# Altium PCB ESP32-HWE-Uno.PcbDoc
Units mil, origin at the board's own origin, x right, y up, seen from the top; angles counter-clockwise.
Board outline 2700 x 2100 mil, 2 copper layers (Top Layer, Bottom Layer); 8 components, 39 nets, 121 pads, 7 vias.
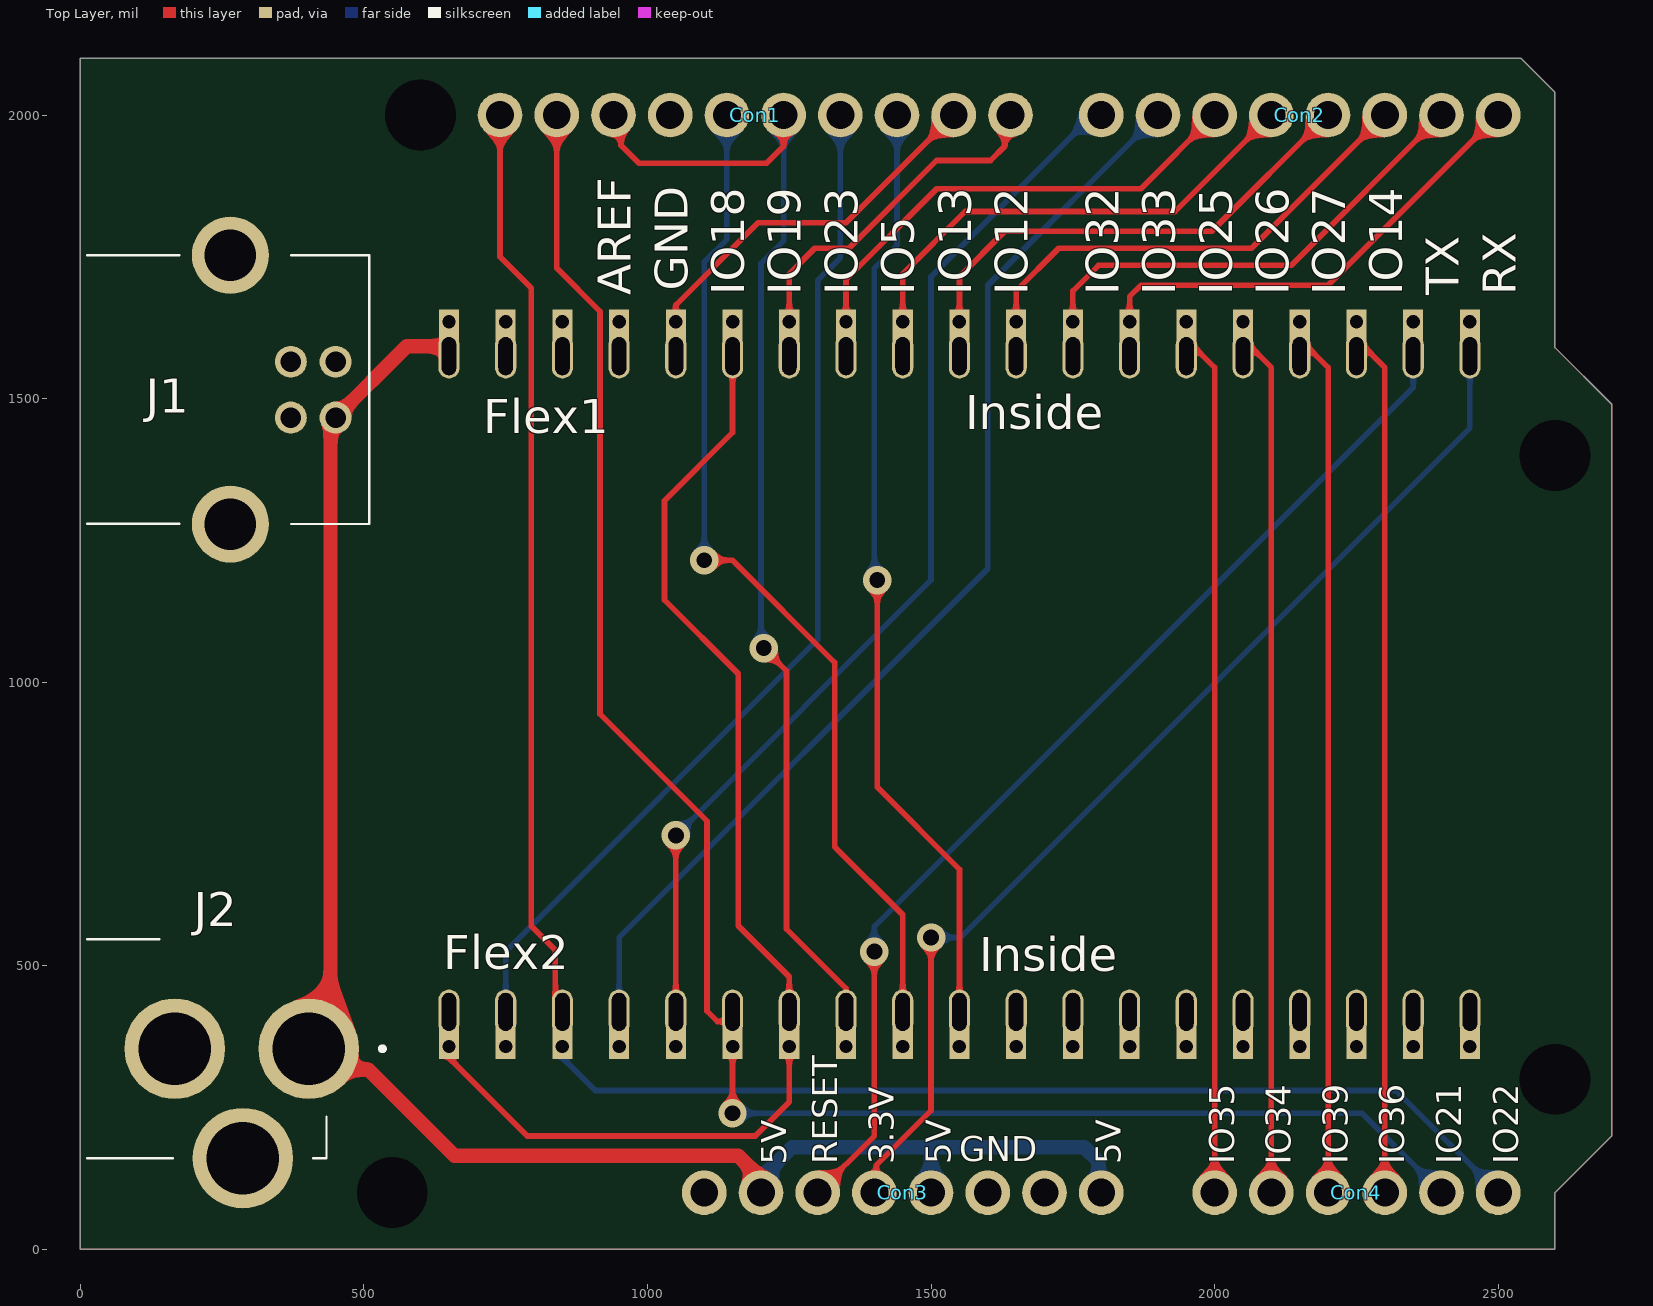
[diagram p0: Top Layer view]
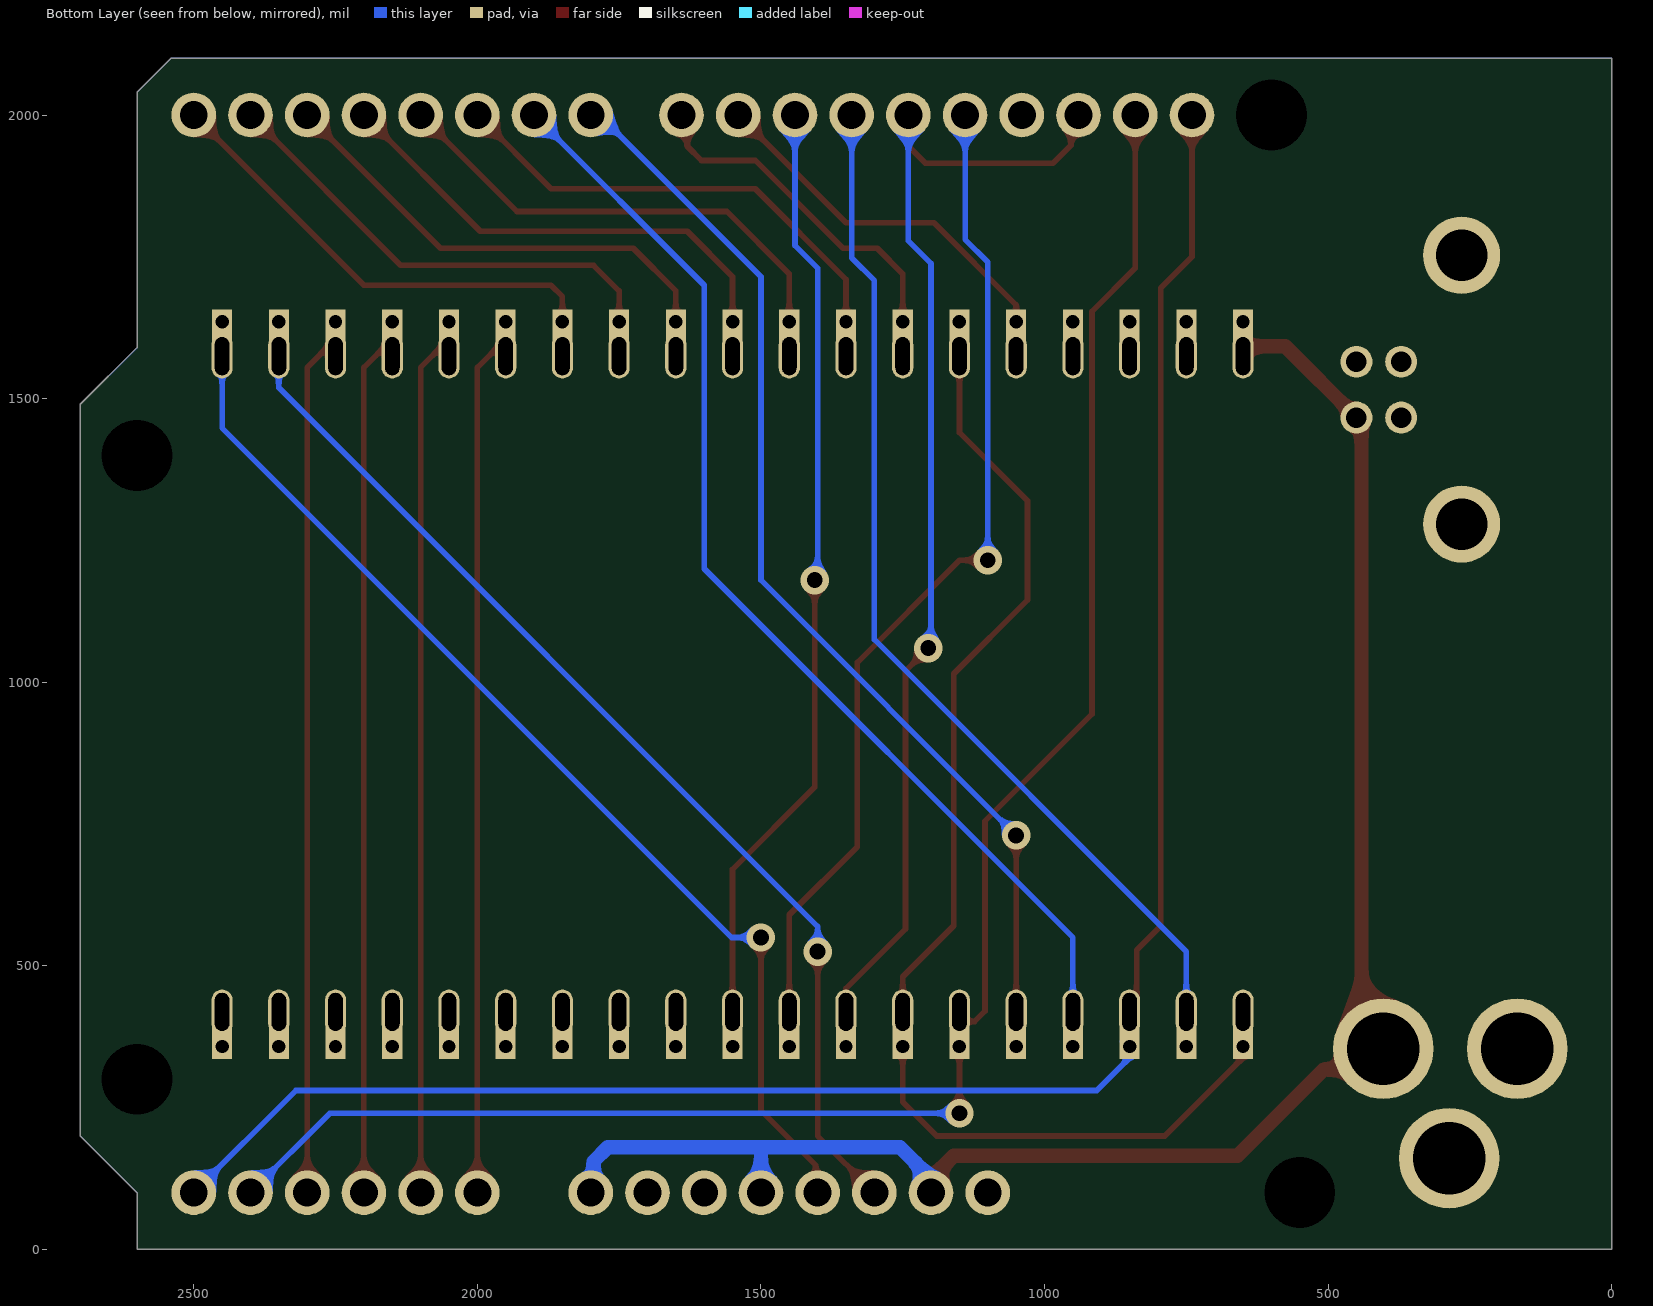
[diagram p1: Bottom Layer view, seen from below]

## Layer stack, top to bottom
Top Solder: solder mask 0.4, Solder Resist, Dk 3.5
Top Layer: signal copper 1.4
Dielectric 1: dielectric 12.6, FR-4, Dk 4.8
Bottom Layer: signal copper 1.4
Bottom Solder: solder mask 0.4, Solder Resist, Dk 3.5

## Board outline
0,0 0,2100 2540,2100 2600,2040 2600,1590 2700,1490 2700,200 2600,100 2600,0

## Design rules (kind name [scope] priority, off if disabled: settings)
Clearance [All] p1: gap=5 ignorepadtopadclearanceinfootprint=FALSE except(0: Arc-Hole Track-Hole SMDPad-Hole THPad-Hole Via-Hole Fill-Hole Poly-Hole Region-Hole Text-Hole)
HoleSize [All] p1: absolutevalues=TRUE maxlimit=196.85 minlimit=1 maxpercent=80.000 minpercent=20.000
PolygonConnect [All] p1: connectstyle=Relief reliefconductorwidth=10 reliefentries=4 polygonreliefangle="90 Angle" airgapwidth=10
RoutingVias [All] p1: holewidth=28 width=50 viastyle="Through Hole" minholewidth=28 minwidth=50 maxholewidth=28 maxwidth=50
SolderMaskExpansion [All] p1: expansion=4 istentingtop=FALSE
Width [All] p1: maxlimit=196.85 minlimit=10 preferedwidth=10
29 further rules are at their usual default settings.

## Components (designator, comment, footprint, x,y, rotation, side; value= is the part's Value field where it differs from the comment)
Con1 "Female 10 Pin" HEADER_FEMALE_10PIN 740,2000 r0 top
Con2 "Header_Female_8Pin" HEADER_FEMALE_8PIN 2500,2000 r180 top
Con3 "Header_Female_8Pin" HEADER_FEMALE_8PIN 1800,100 r180 top
Con4 "Header_Female_6Pin" HEADER_FEMALE_6PIN 2500,100 r180 top
Flex1 "FlexiPins19" FLEXIPINS19 2450,1574.8 r270 top
Flex2 "FlexiPins19" FLEXIPINS19 650,418.66 r90 top
J1 "SS-52300-001" SS52300001 450,1565 r270 top
J2 "163-179PH-EX" 163179PHEX 200,300 r0 top locked

## Footprints (in the part's own frame and the unit in brackets; to place one, negate y for a bottom-side part, rotate by r counter-clockwise, add the part's x,y. Pads: shape width x height; smd on the part's side, far side on the other; paste and mask are expansions set on the pad)
163179PHEX [mm]
  round 4.5 hole 3.25: A(5.15,1.365) B(2.2,-3.535) C(-0.85,1.365)
  silkscreen extent -4.77,-3.53 8.55,6.26, body extent -8.5,-3.7 6,5.8, height 10.85
FLEXIPINS19 [mm]
  rect 1.5x0.9 hole 0.6 copper offset 0.2,0: 1(-1.55,0) 2(-1.55,-2.54) 3(-1.55,-5.08) 4(-1.55,-7.62) 5(-1.55,-10.16) 6(-1.55,-12.7) 7(-1.55,-15.24) 8(-1.55,-17.78) 9(-1.55,-20.32) 10(-1.55,-22.86) 11(-1.55,-25.4) 12(-1.55,-27.94) 13(-1.55,-30.48) 14(-1.55,-33.02) 15(-1.55,-35.56) 16(-1.55,-38.1) 17(-1.55,-40.64) 18(-1.55,-43.18) 19(-1.55,-45.72)
  oval 2x0.95 hole 0.65 slot 1.7 at 0 deg: 1(0,0) 2(0,-2.54) 3(0,-5.08) 4(0,-7.62) 5(0,-10.16) 6(0,-12.7) 7(0,-15.24) 8(0,-17.78) 9(0,-20.32) 10(0,-22.86) 11(0,-25.4) 12(0,-27.94) 13(0,-30.48) 14(0,-33.02) 15(0,-35.56) 16(0,-38.1) 17(0,-40.64) 18(0,-43.18) 19(0,-45.72)
  body extent -3.59,-45.92 0.87,0.2, height 4.07
HEADER_FEMALE_6PIN [mm]
  round 2 hole 1.25: 1(0,0) 2(2.54,0) 3(5.08,0) 4(7.62,0) 5(10.16,0) 6(12.7,0)
  body extent -1.52,-1.25 14.22,1.25, height 8.65
HEADER_FEMALE_8PIN [mm]
  round 2 hole 1.25: 1(0,0) 2(2.54,0) 3(5.08,0) 4(7.62,0) 5(10.16,0) 6(12.7,0) 7(15.24,0) 8(17.78,0)
  body extent -1.52,-1.2 19.31,1.21, height 8.51
HEADER_FEMALE_10PIN [mm]
  round 2 hole 1.25: 1(0,0) 2(2.54,0) 3(5.08,0) 4(7.62,0) 5(10.16,0) 6(12.7,0) 7(15.24,0) 8(17.78,0) 9(20.32,0) 10(22.86,0)
  body extent -1.52,-1.25 24.38,1.25, height 8.5
SS52300001 [mm]
  round 1.431 hole 0.92: 1(0,0) 2(0,-2) 3(2.5,0) 4(2.5,-2)
  round 3.45 hole 2.3: MH1(-4.77,-4.71) MH2(7.27,-4.71)
  silkscreen extent -4.77,-11.12 7.27,1.51, body extent -6.22,-14.99 8.72,1.51, height 10.62

## Part data
Con1: library part Header_Female_10Pin
J1: "Connector", Manufacturer_Name=Bel, Mouser Part Number=530-SS-52300-001, Datasheet Link=https://belfuse.com/resources/datasheets/stewartconnector/ds-stw-usb-2.0-type-b-connectors.pdf, Height=10.82mm, Manufacturer_Part_Number=SS-52300-001
J2: "Connector", Manufacturer_Name=Kobiconn, Datasheet Link=https://componentsearchengine.com/Datasheets/1/163-179PH-EX.pdf, Height=11mm, Manufacturer_Part_Number=163-179PH-EX, Mouser Part Number=163-179PH-EX, Mouser Price/Stock=https://www.mouser.co.uk/ProductDetail/Kobiconn/163-179PH-EX?qs=Xb8IjHhkxj5l2UOaIqcGCw%3D%3D

## Free pads (board coordinates)
  round 0 hole 125 unplated mask+0: 14(600,2000) 15(2600,1400) 16(2600,300) 17(550,100)

## Via types
v1: diameter 50, hole 28, Top Layer to Bottom Layer, 7 vias

## Nets (pads, with @x,y where several pads share a name; then routed paths per layer and width w, separated by ;. In a path a pad name is that pad's centre, name@x,y a point inside that pad or via, vN(x,y) a via of type N, cw(c..) or ccw(c..) an arc to the next point about the centre after c; other vN are vias at no path point)
+5: Con3.1 Con3.4 Con3.7 Flex1.19 J1.3 J2.A | length 3084.9
  Top Layer w25: Flex1.19@641.22,1592.24 575.67,1592.24 J1.3 441.13,1457.71 441.13,392.12 J2.A 439.1,317.39 507.61,317.39 660,165 1160,165 1189.72,135.28 1189.72,110.28 Con3.7
  Bottom Layer w25: Con3.7 1210.28,110.28 1210.28,135.28 1255,180 1495,180 ; Con3.4 1500,175 1495,180 ; Con3.1 1795,105 1795,155 1770,180 1495,180
GND: Con1.4 Con3.2 Con3.3 J1.4 J1.MH1 J1.MH2 J2.B J2.C
NetCon1_1: Con1.1 Con4.1 Flex2.3 | length 3435.1
  Top Layer w10: Con1.1 740,1750 795,1695 795,570 837.28,527.72 837.28,407.76 846.06,398.98 Flex2.3@850,398.98
  Bottom Layer w10: Flex2.3@850,337.95 907.95,280 2320,280 Con4.1 ; Flex2.3@850,398.98 850,379.29 Flex2.3@862.72,366.57
NetCon1_2: Con1.2 Con4.2 Flex2.6 | length 3210.4
  Top Layer w10: Con1.2 840,1730 916.3,1653.7 916.3,943.7 1105,755 1105,420 1123.14,401.86 1147.12,401.86 1150,398.98 1150,357.64 v1(1150,240)
  Bottom Layer w10: v1(1150,240) 2260,240 Con4.2
NetCon1_3: Con1.3 Con1.6 Flex2.8 | length 2105.8
  Top Layer w10: Con1.3 953.15,1986.85 953.15,1946.85 985,1915 1210,1915 1240,1945 Con1.6 ; v1(1205,1060) 1245,1020 1245,565 1350,460 1350,418.66 Flex2.8@1350,398.98
  Bottom Layer w10: v1(1205,1060) 1200,1065 1200,1738.2 1240,1778.2 Con1.6
NetCon1_5: Con1.5 Flex2.9 | length 1791.9
  Top Layer w10: v1(1100,1215) 1150,1215 1330,1035 1330,710 1450,590 1450,418.66 Flex2.9@1450,398.98
  Bottom Layer w10: v1(1100,1215) 1100,1740.7 1140,1780.7 Con1.5
NetCon1_7: Con1.7 Flex2.2 | length 1845.4
  Bottom Layer w10: Flex2.2@750,398.98 750,418.66 750,525 1300,1075 1300,1708.2 1340,1748.2 Con1.7
NetCon1_8: Con1.8 Flex2.10 | length 1679.7
  Top Layer w10: v1(1405,1180) 1405,815 1550,670 1550,418.66 Flex2.10@1550,398.98
  Bottom Layer w10: v1(1405,1180) 1400,1185 1400,1730 1440,1770 Con1.8
NetCon1_9: Con1.9 Flex1.15 | length 692.7
  Top Layer w10: Flex1.15@1050,1601.02 1050,1635.83 1050,1665 1195,1810 1350,1810 Con1.9
NetCon1_10: Con1.10 Flex1.13 | length 651.3
  Top Layer w10: Flex1.13@1250,1601.02 1250,1635.83 1250,1720 1295,1765 1355,1765 1509.83,1919.83 1604.83,1919.83 1630,1945 1630,1990 Con1.10
NetCon2_1: Con2.1 Flex1.7 | length 861.5
  Top Layer w10: Flex1.7@1850,1601.02 1850,1635.83 1850,1680 1870,1700 2200,1700 Con2.1
NetCon2_2: Con2.2 Flex1.8 | length 867.4
  Top Layer w10: Flex1.8@1750,1601.02 1750,1635.83 1750,1690 1795,1735 2135,1735 Con2.2
NetCon2_3: Con2.3 Flex1.9 | length 867.4
  Top Layer w10: Flex1.9@1650,1601.02 1650,1635.83 1650,1690 1725,1765 2065,1765 Con2.3
NetCon2_4: Con2.4 Flex1.10 | length 882
  Top Layer w10: Flex1.10@1550,1601.02 1550,1635.83 1550,1715 1630,1795 1995,1795 Con2.4
NetCon2_5: Con2.5 Flex1.11 | length 885
  Top Layer w10: Flex1.11@1450,1601.02 1450,1635.83 1450,1720 1560,1830 1930,1830 Con2.5
NetCon2_6: Con2.6 Flex1.12 | length 879.1
  Top Layer w10: Flex1.12@1350,1601.02 1350,1635.83 1350,1710 1510,1870 1870,1870 Con2.6
NetCon2_7: Con2.7 Flex2.4 | length 1994.5
  Bottom Layer w10: Flex2.4@950,398.98 950,418.66 950,550 1600,1200 1600,1700 Con2.7
NetCon2_8: Con2.8 Flex2.5 | length 1920.5
  Top Layer w10: Flex2.5@1050,398.98 1050,418.66 v1(1050,730)
  Bottom Layer w10: v1(1050,730) 1500,1180 1500,1715 1785,2000 Con2.8
NetCon3_5: Con3.5 Flex1.1 | length 1966.2
  Top Layer w10: Con3.5 1403.51,103.51 1403.51,148.51 1500,245 v1(1500,550)
  Bottom Layer w10: v1(1500,550) 1551.66,550 2450,1448.34 2450,1574.8 Flex1.1@2450,1601.02
NetCon3_6: Con3.6 Flex1.2 | length 1935.9
  Top Layer w10: Con3.6 1400,200 v1(1400,525)
  Bottom Layer w10: v1(1400,525) 1400,569.33 2350,1519.33 2350,1574.8 Flex1.2@2350,1601.02
NetCon4_3: Con4.3 Flex1.3 | length 1524
  Top Layer w10: Flex1.3@2250,1601.02 2253.94,1601.02 2300,1554.96 Con4.3
NetCon4_4: Con4.4 Flex1.4 | length 1524
  Top Layer w10: Flex1.4@2150,1601.02 2153.94,1601.02 2200,1554.96 Con4.4
NetCon4_5: Con4.5 Flex1.5 | length 1524
  Top Layer w10: Flex1.5@2050,1601.02 2053.94,1601.02 2100,1554.96 Con4.5
NetCon4_6: Con4.6 Flex1.6 | length 1524
  Top Layer w10: Flex1.6@1950,1601.02 1953.94,1601.02 2000,1554.96 Con4.6
NetFlex1_14: Flex1.14 Flex2.1 Flex2.7 | length 2140.5
  Top Layer w10: Flex2.1@650,337.95 787.95,200 1190,200 1250,260 Flex2.7@1250,337.95 ; Flex2.1@650,398.98 650,379.29 Flex2.1@662.72,366.57 ; Flex1.14@1150,1601.02 1150,1574.8 1150,1440 1030,1320 1030,1145 1160,1015 1160,570.67 1250,480.67 1250,418.66 Flex2.7@1250,398.98
NetFlex1_16: Flex1.16
NetFlex1_17: Flex1.17
NetFlex1_18: Flex1.18
NetFlex2_11: Flex2.11
NetFlex2_12: Flex2.12
NetFlex2_13: Flex2.13
NetFlex2_14: Flex2.14
NetFlex2_15: Flex2.15
NetFlex2_16: Flex2.16
NetFlex2_17: Flex2.17
NetFlex2_18: Flex2.18
NetFlex2_19: Flex2.19
NetJ1_1: J1.1
NetJ1_2: J1.2
pads on no net: Con3.8

## Polygon pours and split planes (outlines as drawn)
GND on Bottom Layer "NONET_L02_P001" (solid, remove dead copper, shelved, pour order 1): 0,0 0,2100 2540,2100 2600,2040 2600,1590 2700,1490 2700,200 2600,100 2600,0
GND on Top Layer "NONET_L01_P000" (solid, remove dead copper, shelved, pour order 0): 0,0 0,2100 2540,2100 2600,2040 2600,1590 2700,1490 2700,200 2600,100 2600,0

## Silkscreen, mask and mechanical layers (free items; w line width, h text height)
Top Overlay:
  text "GND" at 1090,1690 h100 r90
  text "AREF" at 990,1682.63 h100 r90
  text "IO18" at 1190,1682.63 h100 r90
  text "IO19" at 1290,1682.63 h100 r90
  text "IO23" at 1390,1682.63 h100 r90
  text "IO5" at 1490,1682.63 h100 r90
  text "IO13" at 1590,1682.63 h100 r90
  text "IO12" at 1690,1682.63 h100 r90
  text "IO32" at 1850,1682.63 h100 r90
  text "IO33" at 1950,1682.63 h100 r90
  text "IO25" at 2050,1682.63 h100 r90
  text "IO26" at 2150,1682.63 h100 r90
  text "IO27" at 2250,1682.63 h100 r90
  text "IO14" at 2350,1682.63 h100 r90
  text "TX" at 2450,1682.63 h100 r90
  text "RX" at 2550,1682.63 h100 r90
  text "RESET" at 1349.5,150 h75 r90
  text "3.3V" at 1449.5,150 h75 r90
  text "5V" at 1549.5,150 h75 r90
  text "5V" at 1849.5,150 h75 r90
  text "IO35" at 2049.5,150 h75 r90
  text "IO39" at 2249.5,150 h75 r90
  text "IO36" at 2349.5,150 h75 r90
  text "IO21" at 2449.5,150 h75 r90
  text "IO22" at 2550,150 h75 r90
  text "5V" at 1259.45,149.25 h75 r90
  text "IO34" at 2149.5,149.25 h75 r90
  text "GND" at 1550,140 h75

## Text inside footprints (layer, text, board x,y; h text height)
Flex1: Top Overlay "Inside" at 1560,1445.83 h60
Flex2: Top Overlay "Inside" at 1585,490 h60